# KiCad board jetson-nano-baseboard.kicad_pcb (continued)
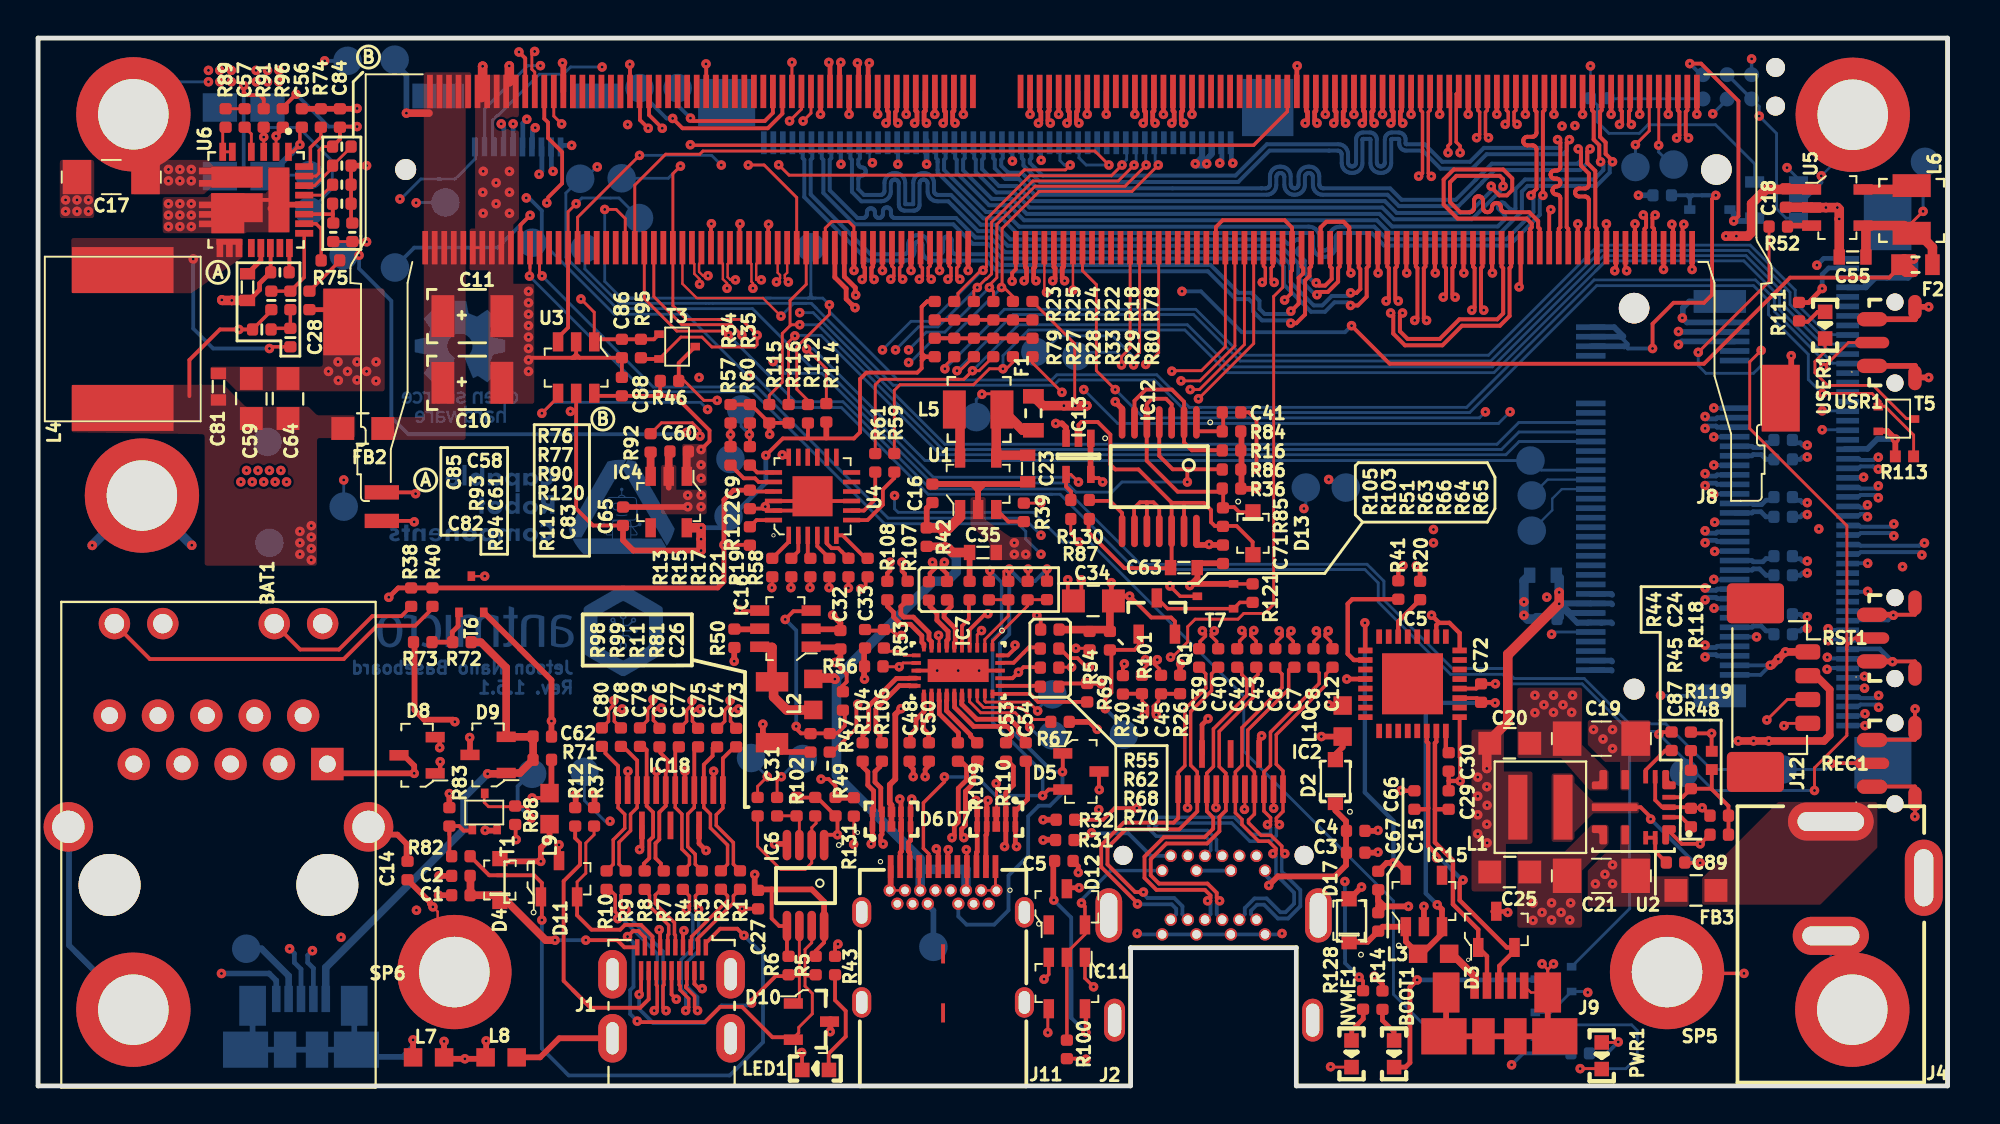
[diagram p0: board, top side]
## Routing (per net, layer and track width the routed paths; a pad name or vN(x,y) marks a point on that pad's centre or on a via; arc(x,y) is an arc through that point) (continued)
5V0_DBG: length 24.8
  Top w0.2: C72.2 75.52,20.36 IC5.19
  Top w0.23: C72.2 76.45,20.14 v1(76.48,20.11)
  Top w0.25: 72.08,7.29 L3.2
  Top w0.3: 68.94,7.56 69.78,7.56 C67.2 70.58,8.36 IC15.1 71.79,7.58 L3.2 72.63,6.93 73.69,7.99 IC15.3 73.69,9.26 v1(73.44,9.51)
  Bottom w0.23: v1(76.48,20.11) 73.34,20.11 72.84,19.61 72.84,10.11 v1(73.44,9.51)
5V0_SYS: length 89.2
  Top w0.15: C83.2 R117.1
  Top w0.18: R93.1 12.24,40.69 C82.1
  Top w0.2: v1(41.98,7.44) 41.83,7.29 41.83,6.73 ; v1(41.83,22.23) 42.44,21.62 42.44,21.21 42.21,20.98 42.21,20.6 ; v1(51.28,23.14) 51.28,22.96 51.25,22.94 51.25,22.94 50.91,22.6 IC7.30 ; 26.88,15.41 26.92,15.36 26.67,15.11 v1(25.93,15.11) ; IC13.5 55.45,31.9 55.67,31.9 v1(55.88,31.7) ; 57.05,25.7 57.31,25.7 58.43,24.59 59.47,24.59 59.67,24.39 Q1.2 ; 32.63,36.22 32.66,36.25 32.66,36.39 ; 32.63,36.22 32.36,36.22 ; 32.63,36.22 32.96,36.22 ; 32.66,36.39 R46.2 ; 32.66,36.39 32.49,36.22 32.36,36.22 ; 32.66,36.39 32.83,36.22 32.96,36.22 ; 32.96,36.22 32.93,36.22 ; 32.96,36.22 33.43,36.22 35.24,34.41 35.24,33.84 v1(34.8,33.4) ; U3.6 29.33,36.22 C88.2 32.36,36.22 ; C83.2 17.23,44.32 v1(17.24,44.31) ; 32.36,36.22 32.39,36.22 ; C82.1 v1(10.54,39.71) 9.54,39.71 7.94,38.11 7.94,36.21
  Top w0.25: v1(70.14,5.76) 70.57,5.33 70.57,4.98 ; 56.2,25.7 57.05,25.7 ; 56.17,25.4 56.33,25.57 v1(56.33,26.42) ; v1(61.41,19.28) 61.09,18.96 IC2.15 ; IC2.13 64.09,18.25 v1(64.22,18.38) ; 92.43,41.12 92.93,41.12 v1(93.65,41.86)
  Top w0.3: 54.12,19.11 55.2,19.11 v1(55.59,18.72) ; v1(41.83,22.23) 42.11,22.5 42.11,22.94 ; L9.1 26.94,15.47 26.94,17.12 ; 40.32,23.02 42.09,23.02 ; IC12.14 60.8,28.39 62.23,28.39 ; v1(63.95,31.34) 63.16,31.34 63.16,34.36 ; IC13.5 55.24,32.11 55.24,33.98 IC13.1 ; 68.94,9.74 68.94,9.91 v1(69.47,10.44) ; C16.1 46.64,30.32 R42.1
  Top w0.4: 56.26,25.31 56.26,23.85 56.15,23.95 53.59,23.95 ; 56.26,25.31 56.24,25.32 ; 56.26,25.31 56.47,25.1 ; J12.2 93.32,21.53 94.04,20.81 94.04,18.41 93.74,18.11 v1(90.84,18.11) v1(90.04,18.11) v1(89.24,18.11) ; v1(47.54,29.01) 47.26,29.29 R42.1
  Top w0.406: 34.05,32 34.05,33.22
  Top w0.5: v1(88.59,44.61) v1(89.14,44.61) 89.74,44.61 89.94,44.81 89.94,46.31 90.69,47.06 U5.1 93.06,47.09 C18.1 ; R42.1 47.83,29.29 48.39,29.86 ; U1.1 48.39,29.86 ; 48.39,29.86 v1(47.54,29.01)
  Bottom w0.15: TP42.1 66.54,30.41 v1(66.44,30.31)
  Bottom w0.2: v1(77.34,1.11) 77.94,1.71 R97.2
  Bottom w0.25: v1(62.02,48.44) 62.14,48.55 62.14,49.42 ; v1(93.37,43.08) 93.72,43.43 94.84,43.43 ; v1(62.71,48.44) 62.63,48.51 62.63,49.42 ; 94.84,42.94 93.99,42.94 93.65,42.6 v1(93.65,41.86)
  vias: v1(13.74,29.11) v1(13.74,28.51) v1(13.74,27.91) v1(14.34,29.41) v1(14.34,28.81) v1(14.34,28.21) v1(14.34,27.61) v1(34.8,32.6) v1(34.8,31.9) v1(57.29,25.71) v1(61.47,28.42)
/Supply/3V3_EN: length 2
  Top w0.2: 85.65,17.6 85.4,17.6 84.38,16.58 U2.7
/Supply/3V3_FB: length 6.2
  Top w0.2: 87.85,15.57 87.82,15.6 R45.2 86.31,15.15 U2.4 ; 87.85,15.57 R118.2 ; 87.85,15.57 88.73,14.69 R48.2
/Supply/3V3_R_C_BOOT: length 2
  Top w0.2: U2.13 U2.14 84.88,12.31 C89.2
/Supply/3V3_SW: length 6.6
  Top w0.2: U2.10 84.12,14.63 84.64,14.11 v1(84.64,14.01) ; v1(87.24,11.71) 86.46,11.71 C89.1
  Bottom w0.2: v1(84.64,14.01) 86.94,11.71 v1(87.24,11.71)
/Supply/3V3_VCC: length 1.4
  Top w0.2: U2.2 86.25,14.1 C87.1
/Supply/3V3_VIN:
  vias: v1(81.64,18.71) v1(81.74,10.61) v1(82.14,18.21) v1(82.24,11.11) v1(82.64,18.71) v1(82.64,17.71) v1(82.64,11.61) v1(82.64,10.61)
/Supply/5V_BOOT: length 1.4
  Top w0.15: U6.4 11.19,49.97 C57.1
/Supply/5V_COMP: length 2.7
  Top w0.18: R75.1 14.86,44.99 14.59,45.26 13.97,45.26
/Supply/5V_EN: length 9.2
  Top w0.15: U6.3 v1(11.84,49.81) R91.1
  Bottom w0.15: v1(11.84,49.81) 11.84,50.16 11.99,50.31 13.68,50.31 15.44,48.55 15.44,47.11 TP15.1
/Supply/5V_FB: length 5.2
  Top w0.15: R117.2 15.49,45.76 ; 15.49,45.76 14.79,45.76 ; 15.49,45.76 15.49,46.27 R120.1 ; 14.79,45.76 14.91,45.76 ; 14.79,45.76 13.97,45.76
  Top w0.18: 15.46,45.72 15.46,45.33 R117.2 ; 15.46,45.72 R120.1 ; 15.46,45.72 15.42,45.76 13.97,45.76
/Supply/5V_FSW: length 1.7
  Top w0.15: 13.97,46.76 14.91,46.76 R90.1
/Supply/5V_ILIM: length 3.4
  Top w0.15: 13.97,47.26 14.52,47.26 15.46,48.2 R77.1 16.43,49.28 R76.1
/Supply/5V_MODE: length 2.6
  Top w0.18: 13.97,48.26 14.29,48.26 14.29,49.26 14.84,49.81 R74.1
/Supply/5V_PHASE: length 1.9
  Top w0.15: R89.2 9.69,50.17 U6.6 U6.5
/Supply/5V_SNS: length 2
  Top w0.18: C61.1 R94.2 12.29,39.77 C82.2
/Supply/5V_SS: length 1.3
  Top w0.2: 13.19,43.98 13.19,42.72 C58.1
/Supply/5V_SW: length 9.2
  Top w0.18: R94.1 12.23,38.8 v1(12.14,38.71)
  Bottom w0.2: v1(8.14,43.41) 8.14,39.76 9.19,38.71 v1(12.14,38.71)
/Supply/5V_VIN: length 13.7
  Top w0.18: U6.1 13.37,49.03 v1(13.74,49.41) 13.74,50.22 C56.1
  Top w0.2: v1(10.79,52.51) 10.79,52.16 10.94,52.01 11.64,52.01 11.84,51.81 R91.2
  Bottom w0.15: FB1.2 12.09,47.81 TP11.1
  Bottom w0.2: 10.79,47.91 v1(10.79,52.51)
  Bottom w0.3: FB1.2 12.09,47.76 v1(13.74,49.41) 13.24,48.91
  vias: v1(6.84,48.11) v1(6.84,47.51) v1(7.44,48.11) v1(7.44,47.51) v1(8.04,48.11) v1(8.04,47.51)
/Supply/VDD_5V_DCDC: length 9.9
  Top w0.15: R76.2 14.94,49.31 14.74,49.11 14.74,47.91 14.59,47.76 13.97,47.76
  Top w0.2: R96.1 12.84,51.36 v1(13.54,52.06) ; v1(16.74,50.36) 15.88,50.36 C84.1 15.84,49.69 R76.2
  Bottom w0.2: v1(16.74,50.36) 15.24,50.36 v1(13.54,52.06)
GND: length 454.9
  Top w0.125: v1(20.72,9.4) 20.97,9.15 20.97,7.2 22.2,5.98 ; J9.S 78.36,4.9 J9.5 ; M1.250 M1.248 ; v1(52.93,41.66) 52.82,41.77 M1.138 ; 54.32,41.77 M1.132 ; J11.B1 J11.Shell ; J11.B12 J11.Shell
  Top w0.15: IC2.2 60.34,14.61 v1(60.34,14.6) ; v1(61.82,14.61) 61.82,15.56 ; D7.3 50.31,14.4 50.31,15.63 ; J11.A12 50.25,10.31 J11.B1 ; IC2.11 64.84,14.58 v1(64.85,14.57) ; v1(79.54,6.41) 79.24,6.1 J9.S 79.24,6.11 v1(78.94,6.41) ; IC2.8 63.34,14.54 v1(63.32,14.52)
  Top w0.152: M1.176 41.32,45.03 41.66,45.37 42.55,45.37 42.82,45.09 42.82,44.7
  Top w0.18: U4.18 39.18,33 v1(39.06,33.12) ; v1(89.54,5.91) 85.57,5.91 SP5.1 ; v1(52.8,5.6) 53.05,5.85 IC11.3 ; v1(55.4,5.2) 54.95,5.65 IC11.1 ; T7.2 R121.1
  Top w0.2: 44.32,42.8 44.32,42.8 44.32,44 ; v1(98.52,19.79) 98.52,19.79 REC1.SH1 98.52,18.17 96.27,18.17 96.27,18.26 ; 97.32,22.28 98.52,22.28 RST1.SH2 ; 97.35,24.73 98.52,24.73 RST1.SH1 ; M1.102 61.82,44 61.82,45.09 62.18,45.44 65.43,45.44 65.82,45.05 65.82,42.81 65.76,42.75 65.76,41.58 v1(65.43,41.25) ; v1(51.13,42.24) 51.13,42.67 51.32,42.86 M1.144 ; M1.32 79.32,46.02 79.4,46.1 ; 96.27,15.72 98.52,15.72 98.52,14.15 v1(98.51,14.14) ; v1(41.09,16.1) 41.5,16.1 41.86,15.75 41.86,15.14 ; 38.2,30.45 38.2,30.58 ; 38.2,30.45 38.05,30.3 37.36,30.3 ; 38.2,30.45 38.2,30.46 ; 39.06,33.11 v1(39.06,33.12) ; 63.95,32.37 63.95,34.95 63.55,35.36 63.16,35.36 ; IC18.2 35.44,16.5 v1(35.46,16.52) ; IC18.5 33.94,16.5 v1(33.96,16.52) ; IC18.8 32.44,16.5 v1(32.46,16.52) ; v1(30.96,16.52) 30.94,16.5 IC18.11 ; 31.07,52.2 31.07,53.62 ; IC7.13 IC7.28 ; 35.07,52.2 35.07,53.64 v1(35.06,53.64) ; 54.99,22.02 54.56,22.45 54.14,22.45 53.57,23.02 ; v1(54.05,26.57) 54.05,25.77 54.42,25.4 54.76,25.74 v1(54.76,26.57) ; 60.86,27.18 61.11,27.43 ; v1(19.74,29.61) 19.69,29.66 BAT1.- ; D5.3 55.68,15.56 v1(55.7,15.54) ; C83.1 16.43,45.36 R77.2 ; 28.43,38.22 28.24,38.41 ; 28.43,38.22 C86.1 C88.1 ; 28.43,38.22 28.18,38.22 ; 28.24,38.41 28.06,38.22 28.01,38.22 ; 28.24,38.41 28.24,38.29 28.18,38.22 ; 28.24,38.41 U3.2 ; U4.22 40.4,30.7 U4.25 ; 12.19,43.98 12.21,43.97 C58.2 ; 27.34,11.86 27.34,12.62 ; v1(35.34,45.26) 35.32,45.23 M1.200 ; U4.25 40.9,30.7 U4.9 ; U4.25 39.9,30.2 U4.23 ; v1(76.49,21.11) C72.1 75.49,20.86 IC5.20 ; R100.1 54.97,1.43 v1(55,1.4) ; 28.18,38.22 28.01,38.22 ; 28.01,38.22 25.86,38.22 v1(25.74,38.11) ; IC5.17 74.62,17.25 74.64,17.23 v1(74.64,16.01) ; 27.39,11.77 D11.3 ; U2.6 84.88,15 85.26,14.63 U2.3 86.7,14.63 C87.2 86.79,14.6 v1(87.35,14.6) 87.76,14.19 87.76,14.19 ; v1(57.02,22.16) 56.94,22.08 R30.1 ; 37.64,9.29 37.63,9.3 v1(36.95,9.3) ; U6.9 10.66,46.51 U6.28
  Top w0.22: 70.32,42.69 70.32,44 ; 73.32,42.69 73.32,44 ; 74.82,42.69 74.82,44 ; 76.32,42.69 M1.44 ; v1(71.84,42.67) 71.82,42.69 M1.62 ; 77.82,44 77.82,42.02 v1(77.74,41.94) ; M1.26 80.82,45.24 v1(80.82,45.25) ; M1.20 82.32,45.24 ; M1.14 83.82,45.24 ; M1.8 85.32,42.86 v1(85.32,42.86) ; v1(86.82,42.86) 86.82,42.86 M1.2 ; v1(68.91,42.67) 68.82,42.76 68.82,45.07 68.53,45.36 67.62,45.36 67.32,45.06 M1.80
  Top w0.23: v1(71.54,15.51) 71.56,15.49 C15.1 ; IC5.24 74.62,23.77 74.08,24.31 73.51,24.31 ; 73.51,24.31 73.51,24.34 v1(73.14,24.71) ; 73.51,24.31 73.39,24.19 IC5.26 ; 76.34,9.16 77.09,9.16 v1(77.14,9.11) ; IC13.3 53.96,33.92 ; C30.1 74.04,16.01 ; 74.04,16.01 v1(74.64,16.01) ; 74.04,16.01 C29.1
  Top w0.25: v1(66.09,53.54) 66.07,53.52 66.07,52.2 ; v1(45.82,42.8) 45.82,44 ; 47.32,42.8 47.32,44 ; 48.82,42.8 48.82,44 ; 60.57,51 60.57,52.2 ; 59.07,51 59.07,52.2 ; 57.57,51 57.57,52.2 ; 56.07,51 M1.125 ; 55.07,51 M1.129 ; 53.57,51 M1.135 ; 52.07,51 M1.141 ; 45.57,51 45.57,52.2 ; 47.07,51 M1.153 ; 48.57,51 48.57,52.2 ; 41.07,51 41.07,52.2 ; 42.57,51 42.57,52.2 ; 44.07,51 44.07,52.2 ; 87.07,51 M1.1 ; 85.57,51 M1.7 ; 84.07,51 M1.13 ; 82.57,51 M1.19 ; 81.07,51 M1.25 ; 79.57,51 79.57,52.2 ; 78.07,51 78.07,52.2 ; 76.57,51 76.57,52.2 ; 75.07,51 75.07,52.2 ; 73.57,51 73.57,52.2 ; 72.07,51 72.07,52.2 ; 70.57,51 70.57,52.2 ; 67.57,51 67.57,52.2 ; 69.07,51 69.07,52.2 ; 42.82,42.8 42.82,44 ; IC5.4 v1(68.69,21.36) ; D12.3 54.05,10.4 v1(54.64,10.4) ; C28.1 15.32,40.75 15.97,40.1 ; v1(54.6,11.2) 54.6,11.53 54.33,11.81 ; C58.2 11.62,42.12 11.62,41.79 11.07,41.23 C85.2
  Top w0.3: v1(70.33,12.27) 70.3,12.24 69.64,12.24 ; v1(70.33,13.41) 70.3,13.39 69.64,13.39 ; 19.71,23.29 19.76,23.34 19.76,19.73 20.26,19.22 21.78,19.22 21.88,19.13 v1(21.88,19.12) ; 42.11,23.97 42.14,23.97 42.14,23.85 ; 42.11,23.97 40.32,23.97 ; 42.11,23.97 42.11,24.31 v1(41.7,24.71) ; 42.11,23.97 42.11,23.9 ; v1(29.21,15.32) 29.21,14.63 29.18,14.6 ; 21.59,14.6 v1(21.59,15.34) ; v1(23.47,13.41) 23.48,13.4 24.07,13.4 ; v1(22.65,18.29) 22.67,18.27 D9.3 ; 26.94,18.34 26.94,19.15 v1(26.95,19.15) 26.95,21.3 25.29,22.96 ; v1(52.75,13.97) 53.44,13.97 ; v1(52.75,12.9) 52.77,12.92 53.44,12.92 ; 91.47,36.1 92.02,36.65 v1(92.02,38.33) ; IC13.3 53.96,34.56 53.74,34.77 v1(53.41,34.77) ; v1(56.54,35.92) 56.9,35.55 IC12.7 56.89,34.83 ; R113.2 v1(97.48,33.96) 97.07,34.38 96.68,34.38 ; v1(99.23,37.19) 98.53,37.19 USR1.SH2 98.52,37.79 USR1.1 ; USR1.3 98.52,40.24 USR1.SH1 98.54,40.89 v1(99.23,40.89) ; 60.86,27.18 60.86,27.18 60.86,26.67 v1(60.45,26.26) 60.54,26.35 T7.2 ; v1(45.29,19.8) 44.99,19.5 44.99,16.1 44.71,15.81 44.71,14.84 44.79,14.75 D6.8 D6.3 ; 43.43,22.94 43.36,22.86 43.36,21.29 ; RST1.1 97.32,22.28 ; RST1.3 97.35,24.73 ; v1(36.54,22.29) 36.54,22.79 ; J11.A1 44.75,10.16 44.69,10.1 ; D7.8 D7.3 ; 27.57,52.2 27.57,53.66 v1(27.53,53.7) ; v1(38.66,12.7) 39.25,12.7 IC6.4 ; 41.59,3.51 41.59,2.86 v1(41.58,2.84) ; v1(28.22,15.29) 28.22,14.63 28.19,14.6 ; 21.54,1.42 v1(22.4,1.42) 23.16,1.42 ; 21.59,1.22 L7.2 21.31,1.5 v1(21.31,2.34) ; 23.21,1.22 L8.1 23.52,1.53 v1(23.52,2.36) ; 61.11,27.43 62.23,27.43 ; 42.82,15.12 41.87,15.12 41.86,15.14 ; J9.S 79.24,2.97 J9.S J9.S J9.S J9.S 73.91,2.72 J9.S ; 72.73,8.33 72.74,8.34 v1(72.74,9.42) ; v1(21.05,11.02) 21.73,11.02 ; v1(21.02,10.01) 21.73,10.01 ; 49.66,31.59 51.83,31.59 C23.2 ; 49.66,31.59 49.34,31.28 ; 49.66,31.59 48.86,31.59 ; R77.2 v1(17.24,48.31) ; 70.67,9.42 70.36,9.42 70.34,9.41 ; 70.67,9.42 70.62,9.42 70.34,9.71 ; 70.67,9.42 70.34,9.76 70.34,9.91 ; 70.67,9.42 v1(71.93,9.42) ; 70.67,9.42 C67.1 70.34,9.41 ; 49.34,31.28 U1.2 49.34,31.21 ; 49.34,31.28 49.03,31.59 48.86,31.59 ; 25.29,22.96 25.77,22.48 ; 25.29,22.96 T6.2 ; v1(20.72,9.4) 20.57,9.55 20.57,9.64 C14.2 ; v1(34.1,30.4) 34.09,30.39 C65.2 30.7,30.46 ; J3.1 15.67,16.41 v1(19.74,16.41) 19.74,16.81 19.19,17.36 D8.3 ; 33.1,32 33.1,31.4 ; v1(38.04,18.99) 38.04,18.49 39.01,17.53 40.54,17.53 ; 70.34,9.71 70.34,9.41 ; 70.34,9.71 70.34,9.91 ; L7.1 19.68,2.41 v1(19.68,2.42) ; v1(16.74,51.31) 16.73,51.29 C84.2 C56.2 ; 48.86,31.59 C16.2 48.96,31.59 ; 70.34,9.91 C66.1 ; 12.19,46.06 U6.28 12.89,46.26 13.97,46.26
  Top w0.4: J12.1 v1(91.72,22.78) 91.01,22.08 v1(90.92,22.08)
  Top w0.406: 33.1,32 33.1,33.24
  Top w0.5: 23.34,53.53 v1(23.33,53.52) 23.33,51.93 23.28,51.88 ; v1(24.73,53.54) 24.73,52.72 24.72,52.7 ; C55.2 v1(94.54,45.51) 94.54,46.01 v1(94.44,46.11) v1(93.84,46.11) U5.2 93.08,46.12 C18.2 ; C85.2 v1(10.17,41.23) 9.67,41.23 v1(9.64,41.26)
  In2_SINGAL.Cu w0.3: v1(19.86,9.22) 18.44,7.8 v1(15.9,7.8) 12.45,7.8 10.55,5.9 v1(9.63,5.9)
  In2_SINGAL.Cu w0.4: v1(55.67,14.5) 55.87,14.31 55.87,11.9 56.88,10.88 58.12,10.88 58.44,10.57 60.07,10.57 J2.8
  In4_GND.Cu w0.125: J2.21 57.15,8 v1(57.69,8)
  In5_3V3_SYS_SIGNAL.Cu w0.125: 15.22,16.49 15.22,17.61
  Bottom w0.125: 43.82,48.35 43.65,48.53 43.65,49.45 ; 4.08,51 SP3.1 ; SP2.1 94.1,5.13 J4.3 ; 93.6,49.33 SP1.1 95.25,49.42 v1(93.6,47.77)
  Bottom w0.15: TP12.1 v1(16.04,31.81) ; TP44.1 68.23,31.41 v1(67.74,31.83) ; T4.2 79.39,3.86 T2.2 81.29,4.96 v1(81.34,4.91) ; 89.37,5.98 89.44,5.91 v1(89.54,5.91) ; SP1.1 95.25,48.59 ; SP3.1 6.71,52.71 v1(8.94,52.71)
  Bottom w0.18: TP30.5 v1(89.94,53.91)
  Bottom w0.2: v1(85.16,20.5) 85.19,20.47 J8.SH1 ; v1(97.38,24.7) 97.11,24.44 94.84,24.44 ; v1(96.03,25.96) 96.01,25.94 94.84,25.94 ; v1(96.03,27.43) 96.03,27.44 94.84,27.44 ; J8.1 90.41,21.58 90.91,22.07 J8.3 ; v1(87.97,25.07) J8.15 ; 87.97,26.58 J8.21 ; v1(87.95,34.06) 87.96,34.08 J8.51 ; 87.97,35.58 J8.57 ; v1(87.96,32.59) 87.97,32.57 J8.45 ; 87.97,31.07 J8.39 ; v1(88,29.59) 88.02,29.57 J8.33 ; 87.95,28.06 87.97,28.07 J8.27 ; J8.9 90.17,23.57 ; J2.8 J2.14 ; 58.89,7.8 59.04,7.95 J2.7 J2.13 J2.19 65.24,7.95 v1(65.29,8) ; v1(57.69,8) 57.74,7.95 J2.1 ; v1(93.6,47.77) 93.6,47.41 92.69,46.5 IC17.2 ; TP17.1 v1(15.04,53.81)
  Bottom w0.22: 51.14,49.42 51.14,48.55 v1(51.14,48.54) ; 94.84,31.94 95.8,31.94 ; 52.64,48.55 52.64,49.42 ; 42.14,48.54 42.14,48.55 42.14,49.42 ; 45.14,49.42 45.14,48.52 45.13,48.52
  Bottom w0.25: v1(97.34,22.27) 96.67,22.94 94.84,22.94 ; 27.44,49.28 27.53,49.37 v1(28,49.37)
  Bottom w0.3: J5.S J5.S J5.S J5.S 11.26,2.27 J5.S ; J5.S 16.59,2.02 J5.S 16.6,4.2 ; J5.S 17.09,1.52 19.14,1.52 19.68,2.06 v1(19.68,2.42) ; J8.SH2 86.66,41.17 86.33,40.84 86.33,40.34 v1(86.31,40.31) 86.54,40.07 J8.75 ; v1(86.1,38.91) 86.27,39.07 J8.71 ; v1(86.1,39.6) 86.13,39.57 J8.73 ; v1(97.48,33.96) 96.54,33.96 96.02,33.44 94.84,33.44 ; J5.5 12.5,5.53 12.13,5.9 v1(9.63,5.9) ; v1(46.64,48.38) 46.64,48.39 46.64,49.62 ; C36.1 v1(84,46.75)
  Bottom w0.5: v1(8.07,28.38) 8.06,28.38 SP7.1 2.84,28.38 v1(2.84,28.37) ; C47.1 77.99,26.51 v1(77.99,25.41) v1(77.99,24.71) 78.19,24.51 78.76,24.51
  vias: v1(1.44,46.51) v1(1.44,45.91) v1(2.04,46.51) v1(2.04,45.91) v1(2.64,46.51) v1(2.64,45.91) v1(6.84,46.31) v1(6.84,45.71) v1(6.84,45.11) v1(7.44,46.31) v1(7.44,45.71) v1(7.44,45.11) v1(8.04,46.31) v1(8.04,45.71) v1(8.04,45.11) v1(8.94,53.31) v1(9.54,53.31) v1(9.54,52.71) v1(10.14,53.31) v1(10.14,52.71) v1(15.24,37.51) v1(15.74,38.01) v1(15.76,37.03) v1(16.24,37.51) v1(16.74,38.01) v1(16.74,37.05) v1(17.24,37.51) v1(17.74,38.01) v1(17.74,37.01) v1(23.37,48.01) v1(23.34,46.91) v1(23.36,45.81) v1(24.04,47.41) v1(24.04,46.31) v1(24.74,48.01) v1(24.74,46.91) v1(24.74,45.81) v1(25.74,41.71) v1(25.74,41.11) v1(25.74,40.51) v1(25.74,39.91) v1(25.74,39.31) v1(25.74,38.71) v1(25.74,37.51) v1(27.34,12.66) v1(31.06,53.62) v1(34.1,31) v1(34.8,31) v1(34.8,30.4) v1(38.17,30.41) v1(41.07,51) v1(42.14,48.38) v1(42.57,51) v1(42.83,42.8) v1(43.38,21.35) v1(43.79,48.46) v1(44.07,51) v1(44.32,42.8) v1(45.13,48.38) v1(45.57,51) v1(47.07,51) v1(47.19,21.8) v1(47.32,42.8) v1(48.29,21.8) v1(48.57,51) v1(48.82,42.8) v1(49.39,21.8) v1(50.29,15.88) v1(51.24,28.51) v1(51.24,27.91) v1(51.84,27.91) v1(52.07,51) v1(52.65,48.59) v1(53.57,51) v1(54.32,41.77) v1(55.07,51) v1(55.18,21.98) v1(56.07,51) v1(57.57,51) v1(59.07,51) v1(60.57,51) v1(63.94,32.37) v1(67.57,51) v1(69.07,51) v1(70.34,42.67) v1(70.57,51) v1(72.07,51) v1(73.34,42.67) v1(73.57,51) v1(74.84,42.67) v1(75.07,51) v1(76.34,42.67) v1(76.57,51) v1(78.07,51) v1(78.47,9.61) v1(78.47,8.69) v1(78.57,20.51) v1(78.57,19.59) v1(78.94,9.11) v1(79.04,20.01) v1(79.19,25.66) v1(79.4,46) v1(79.44,9.61) v1(79.44,8.71) v1(79.57,51) v1(79.54,20.51) v1(79.54,19.61) v1(79.94,9.11) v1(80.04,20.01) v1(80.44,9.6) v1(80.4,8.71) v1(80.54,20.5) v1(80.5,19.61) v1(81.07,51) v1(82.32,45.25) v1(82.57,51) v1(83.82,45.25) v1(84.07,51) v1(85.57,51) v1(87.07,51) v1(87.96,35.59) v1(87.95,31.06) v1(87.96,26.59) v1(88,28.06) v1(90.2,23.57) v1(91.34,22.41) v1(95.82,31.95)
VDD_MOD: length 4.1
  Top w0.3: v1(19.33,51.06) 19.38,51.1
  Top w0.4: v1(19.33,51.06) 20.52,51.06
  Bottom w0.3: v1(19.33,51.06) 19.33,53.06 18.75,53.64
VIN:
  vias: v1(10.64,31.71) v1(10.94,32.31) v1(11.24,31.71) v1(11.44,53.31) v1(11.44,52.71) v1(11.54,32.31) v1(11.84,31.71) v1(12.04,53.31) v1(12.04,52.71) v1(12.14,32.31) v1(12.44,31.71) v1(12.64,53.31) v1(12.64,52.71) v1(12.74,32.31) v1(13.04,31.71)
#PWR_BUTTON: length 10.1
  Top w0.2: M1.240 25.32,45.19 v1(25.83,45.7)
  Top w0.3: 25.83,45.6 v1(25.83,45.7)
  Bottom w0.2: v1(25.83,45.7) 24.13,44 19.74,44 18.83,43.09
#RECOVERY: length 79.2
  Top w0.15: 36.32,39.48 v1(36.24,39.41) 36.03,39.62 33.53,39.62 31.82,41.33 M1.214
  Top w0.2: 96.27,16.94 94.16,16.94 v1(94.13,16.92)
  Bottom w0.15: 76.24,21.91 76.96,21.91 77.48,21.38 80.82,21.38 ; 76.24,21.91 74.24,21.91 70.64,25.51 70.64,26.49 69.76,27.38 57.87,27.38 53.92,31.33 46.83,31.33 42.25,35.91 39.73,35.91 36.32,39.33 36.32,39.5 ; 76.24,21.91 76.94,21.91 ; v1(94.13,16.92) 93.82,16.61 TP39.1 87.83,16.61 86.94,17.5 ; 86.88,17.56 86.94,17.5 ; 86.94,17.5 85.44,19.01 83.53,19.01 81.16,21.38 80.82,21.38 ; 80.82,21.38 80.64,21.38
#RESET: length 160.2
  Top w0.15: 94.94,22.91 94.94,18.39 93.24,16.69 v1(93.24,15.51) ; 94.94,22.91 94.94,29.41 89.84,34.51 89.84,38.01 v1(90.44,38.61) ; 94.94,22.91 94.94,23.11 95.34,23.51 RST1.2 ; R39.2 52.63,30.59 v1(52.64,30.61) ; R52.2 90.86,42.22 v1(87.14,38.51) ; v1(34.74,34.11) 34.74,34.41 34.34,34.81 32.72,34.81 R92.2
  Top w0.2: M1.239 25.57,53.94 v1(25.24,54.27) ; v1(85.07,18.46) 85.02,18.57 85.65,18.57
  In2_SINGAL.Cu w0.2: v1(25.24,54.27) 25.26,54.25 25.26,52.85 23.67,51.26 23.67,49.98 25.62,48.02 25.62,46.71
  In3_SIGNAL.Cu w0.15: v1(37.29,37.24) 37.29,36.66 v1(34.74,34.11)
  Bottom w0.15: 26.79,43.96 26.49,44.26 TP29.1 26.39,44.26 ; 26.79,43.96 30.24,40.51 34.02,40.51 v1(37.29,37.24) 37.65,37.24 39.28,35.61 42.17,35.61 46.72,31.06 53.09,31.06 ; 26.79,43.96 26.74,44.01 ; 83.54,18.51 83.54,9.31 T2.1 ; 83.54,18.51 83.64,18.61 83.74,18.61 ; 83.54,18.51 83.54,18.61 ; 53.09,31.06 53.65,31.06 57.6,27.11 69.64,27.11 70.34,26.41 70.34,25.41 74.14,21.61 76.87,21.61 77.37,21.11 81.04,21.11 83.54,18.61 ; 53.09,31.06 53.23,31.06 ; v1(90.44,38.61) 90.44,37.81 90.04,37.41 87.54,37.41 87.14,37.81 v1(87.14,38.51) ; 83.54,18.61 83.74,18.61 ; 93.18,15.44 v1(93.24,15.51) 87.94,15.51 87.01,16.44 TP37.1 86.39,17.16 85.04,18.51 v1(85.07,18.46) 84.86,18.61 83.74,18.61 ; 52.64,30.98 52.69,31.03 ; 52.64,30.98 v1(52.64,30.61) ; 52.64,30.98 52.59,31.03
  Bottom w0.2: 25.94,44 26.44,44.49 26.44,45.94 25.77,46.61 v1(25.63,46.61)
#SHUTDOWN_REQ: length 69.3
  Top w0.15: 27.07,52.2 27.07,50.91 v1(27.48,50.5)
  Top w0.2: 60.32,32.37 62.2,32.37 ; 60.32,32.37 59.55,32.37 58.85,33.07 IC12.4 ; 60.32,32.37 v1(60.32,31.7)
  In2_SINGAL.Cu w0.15: 32.24,45.01 32.24,44.81 ; 32.24,45.01 32.21,44.97 32.11,44.97 ; 32.24,45.01 32.24,45.16 ; 32.24,44.81 32.24,44.84 32.11,44.97 ; 32.24,44.81 32.24,41.31 34.69,38.85 v1(34.69,37.19) ; 32.24,45.16 32.24,45.11 32.11,44.97 ; 32.24,45.16 32.24,46.71 28.45,50.5 v1(27.48,50.5) ; v1(19.84,46.36) 21.23,44.97 32.11,44.97
  In3_SIGNAL.Cu w0.15: v1(38.58,38.02) 36.91,38.02 35.62,36.73 35.15,36.73 v1(34.69,37.19)
  Bottom w0.15: 27.48,50.4 v1(27.48,50.5) ; v1(60.32,31.7) 56.89,31.7 56.36,31.17 54.47,31.17 53.99,31.65 46.9,31.65 41.14,37.41 39.2,37.41 v1(38.58,38.02) ; TP28.1 19.86,46.37 v1(19.84,46.36)
/CSI/CAM0_SCL: length 35.5
  Top w0.15: 49.12,41.17 49.12,41.73 v1(49.3,41.91) 49.3,41.91 49.75,42.36 49.79,42.36 50.05,42.62 50.05,45.34 52.22,47.5 56.7,47.5 57.53,48.33 v1(57.53,48.34) ; v1(39.52,26.15) 39.54,26.17 39.54,26.73
  In3_SIGNAL.Cu w0.15: v1(39.52,26.15) 39.52,27.03 40.48,28 40.48,34.11 v1(45.01,38.63)
  Bottom w0.15: v1(49.3,41.91) 47.23,39.84 46.21,39.84 v1(45.01,38.63) ; 57.58,49.67 57.63,49.62 ; 57.63,49.42 57.63,48.47 57.53,48.36
/CSI/CAM0_SDA: length 37.2
  Top w0.15: v1(56.89,48.34) 56.33,47.78 52.06,47.78 49.77,45.5 49.77,42.99 v1(49.6,42.81) 49.49,42.81 48.28,41.61 48.28,41.36 48.09,41.17 ; v1(38.52,26.15) 38.54,26.17 38.54,26.73
  In3_SIGNAL.Cu w0.15: v1(44.32,38.63) 44.32,38.43 40.18,34.29 40.18,28.31 38.52,26.64 v1(38.52,26.15)
  Bottom w0.15: v1(49.6,42.81) 49.56,42.81 46.88,40.13 45.82,40.13 v1(44.32,38.63) ; 56.89,48.36 56.89,48.38 57.14,48.62 57.14,49.62
/CSI/CAM1_SCL: length 36
  Top w0.15: 51.17,41.17 51.17,41.44 50.7,41.91 v1(50.57,41.91) 50.6,41.94 50.6,45.01 52.54,46.95 57.42,46.95 58.8,48.33 v1(58.8,48.34) ; 41.54,26.73 41.54,26.17 v1(41.52,26.15)
  In3_SIGNAL.Cu w0.15: v1(45.69,37.97) 45.36,37.64 44.9,37.64 41.75,34.5 41.75,26.39 v1(41.52,26.15)
  Bottom w0.15: v1(50.57,41.91) 50.57,41.91 47.95,39.29 47.09,39.29 45.78,37.97 v1(45.69,37.97) ; 58.63,49.62 58.63,48.48 58.78,48.33
/CSI/CAM1_SDA: length 35.6
  Top w0.15: 50.14,41.17 50.14,41.7 49.93,41.91 v1(49.93,41.91) 49.93,42.04 50.32,42.43 50.32,45.22 52.33,47.23 57.06,47.23 58.16,48.33 v1(58.16,48.34) ; v1(40.52,26.15) 40.54,26.17 40.54,26.73
  In3_SIGNAL.Cu w0.15: v1(40.52,26.15) 40.52,27.21 41.48,28.17 41.48,34.61 42.66,35.8 42.66,35.81 44.82,37.97 45.03,37.97 v1(45.69,38.63)
  Bottom w0.15: v1(49.93,41.91) 49.93,41.91 47.59,39.57 46.62,39.57 45.69,38.64 v1(45.69,38.63) ; 58.14,49.62 58.14,48.36 58.16,48.34
/CSI/CAM2_SCL: length 69.9
  Top w0.15: v1(47.6,37.64) 47.6,37.79 48.09,38.28
  Top w0.2: v1(43.18,26.09) 43.37,26.09 43.44,26.15 43.44,26.73 43.44,26.73
  In2_SINGAL.Cu w0.15: v1(43.18,26.09) 43.37,26.09
  In3_SIGNAL.Cu w0.15: v1(43.18,26.09) 43.18,32.11 45.59,34.52 45.59,36.19 47.04,37.64 v1(47.6,37.64)
  Bottom w0.15: v1(47.6,37.64) 50.72,40.76 60.77,40.76 63.17,38.35 76.13,38.35 81.21,43.43 81.76,43.99 ; 81.81,44.03 81.76,43.99 ; 81.76,43.99 81.91,44.13 89.87,44.13 92.23,41.77 92.23,41.13 93.93,39.43 94.84,39.43
/CSI/CAM2_SDA: length 71
  Top w0.15: 49.12,38.28 48.38,37.54 v1(48.23,37.54)
  Top w0.2: v1(42.54,26.13) 42.54,26.73
  In3_SIGNAL.Cu w0.15: v1(48.23,37.54) 48.23,37.95 48.03,38.15 47.14,38.15 45.26,36.27 45.26,34.62 42.87,32.23 42.87,26.97 42.53,26.64 v1(42.53,26.13)
  Bottom w0.15: v1(48.23,37.54) 51.18,40.49 60.65,40.49 63.09,38.05 76.25,38.05 81.98,43.78 81.98,43.78 82.06,43.86 89.76,43.86 91.96,41.66 91.96,41.02 94.04,38.94 94.84,38.94
/CSI/CAM3_SCL: length 64
  Top w0.15: 50.14,38.28 49.4,37.54 v1(49.04,37.54) ; v1(49.04,37.54) 48.62,37.12 ; v1(49.04,37.54) 48.59,37.09 48.31,37.09 ; 48.31,37.09 44.23,37.09 43.94,36.81 R61.1 ; 48.31,37.09 48.02,37.09
  Bottom w0.15: 94.84,38.43 94.15,38.43 91.68,40.9 91.68,41.54 89.64,43.58 82.17,43.58 76.33,37.74 62.53,37.74 60.32,39.95 51.46,39.95 v1(49.04,37.54)
/CSI/CAM3_SDA: length 62.6
  Top w0.15: 51.17,38.28 51.17,37.99 50.82,37.64 v1(50.64,37.64) 49.93,37.64 49.1,36.81 45.24,36.81 44.94,36.51 R59.1
  Bottom w0.15: 94.84,37.94 94.19,37.94 94,38.13 94,38.15 91.41,40.74 91.41,41.43 89.53,43.31 82.28,43.31 81.76,42.78 ; v1(50.64,37.64) 50.64,38.33 51.99,39.67 60.2,39.67 62.43,37.44 76.42,37.44 81.76,42.78 ; 81.76,42.78 82.26,43.28
/CSI/CAM_I2C_SCL: length 22.9
  Top w0.2: v1(32.76,50.27) 32.07,50.96 32.07,52.2 ; R60.2 37.36,34.16 v1(37.34,34.19) 37.36,34.21 R35.2
  In2_SINGAL.Cu w0.15: v1(32.76,50.27) 32.97,50.06 32.97,41.63 36.72,37.88 36.72,34.81 v1(37.34,34.19)
  Bottom w0.15: v1(37.34,34.19) 36.9,34.62 36.9,35.5
/CSI/CAM_I2C_SDA: length 22.5
  Top w0.2: 31.57,52.2 31.59,52.18 31.59,50.7 v1(32.03,50.27) ; R34.2 v1(36.34,34.19) R57.2
  In2_SINGAL.Cu w0.15: v1(36.34,34.19) 36.34,37.74 32.59,41.5 32.59,49.71 v1(32.03,50.27)
  Bottom w0.15: TP1.1 36.34,32.91 v1(36.34,34.19)
/CSI/CSI_A_CLK_N: length 43.3
  Top w0.21: M1.10 84.82,44.99 84.74,45.07 84.74,45.57 v1(84.88,45.72)
  In3_SIGNAL.Cu w0.138: 96.48,32.37 96.29,32.55 96.03,32.55 95.48,33.11 95.48,41.53 94.67,42.34 92.27,42.34 92.19,42.35 92.11,42.38 92.03,42.42 91.97,42.48 91.93,42.55 91.9,42.63 91.89,42.72 91.89,42.88 91.89,42.91 91.88,42.94 91.86,42.97 91.84,42.99 91.81,43 91.78,43.01 91.75,43.02 91.72,43.01 91.69,43 91.67,42.99 91.65,42.97 91.63,42.94 91.62,42.91 91.62,42.88 91.62,41.64 91.61,41.55 91.58,41.47 91.53,41.4 91.47,41.34 91.4,41.3 91.32,41.27 91.24,41.26 91.19,41.26 91.11,41.27 91.03,41.3 90.96,41.34 90.9,41.4 90.85,41.47 90.82,41.55 90.81,41.64 90.81,42.88 90.81,42.91 90.8,42.94 90.78,42.97 90.76,42.99 90.74,43 90.71,43.01 90.68,43.02 90.64,43.01 90.62,43 90.59,42.99 90.57,42.97 90.55,42.94 90.54,42.91 90.54,42.88 90.54,41.64 90.53,41.55 90.5,41.47 90.46,41.4 90.4,41.34 90.32,41.3 90.24,41.27 90.16,41.26 90.11,41.26 90.03,41.27 89.95,41.3 89.88,41.34 89.82,41.4 89.77,41.47 89.75,41.55 89.74,41.64 89.74,43.08 89.73,43.11 89.72,43.14 89.71,43.17 89.68,43.19 89.66,43.2 89.63,43.21 89.6,43.22 89.57,43.21 89.54,43.2 89.51,43.19 89.49,43.17 89.47,43.14 89.46,43.11 89.46,43.08 89.46,41.64 89.45,41.55 89.42,41.47 89.38,41.4 89.32,41.34 89.25,41.3 89.17,41.27 89.08,41.26 89.04,41.26 88.95,41.27 88.87,41.3 88.8,41.34 88.74,41.4 88.7,41.47 88.67,41.55 88.66,41.64 88.66,42.2 88.65,42.23 88.64,42.26 88.63,42.29 88.61,42.31 88.58,42.32 88.55,42.33 88.52,42.34 88.31,42.13 88.31,41.88 88.12,41.68 88.1,41.66 88.08,41.63 88.08,41.6 88.08,41.57 88.08,41.54 88.1,41.51 88.12,41.49 88.17,41.44 88.19,41.41 88.2,41.38 88.21,41.35 88.21,41.32 88.2,41.29 88.19,41.26 88.17,41.24 88.15,41.22 88.12,41.21 88.09,41.2 88.06,41.2 88.03,41.21 88,41.22 87.98,41.24 87.92,41.29 87.9,41.31 87.87,41.33 87.84,41.33 87.81,41.33 87.78,41.33 87.75,41.31 87.73,41.29 87.33,41.29 86.9,41.72 86.9,42.23 87.47,42.8 87.47,44.38 87.87,44.78 87.87,45.89 87.29,46.48 86.49,46.48 86.4,46.49 86.32,46.52 86.24,46.57 86.17,46.63 86.13,46.71 86.1,46.8 86.09,46.89 86.09,47.51 86.08,47.55 86.07,47.59 86.05,47.62 86.02,47.65 85.99,47.67 85.95,47.68 85.92,47.68 85.88,47.68 85.84,47.67 85.81,47.65 85.78,47.62 85.76,47.59 85.75,47.55 85.75,47.51 85.75,46.89 85.74,46.8 85.71,46.71 85.66,46.63 85.6,46.57 85.52,46.52 85.43,46.49 85.34,46.48 85.03,46.48 84.7,46.15 84.7,45.9 v1(84.88,45.72)